# KiCad board Lime_RFE.kicad_pcb (continued)
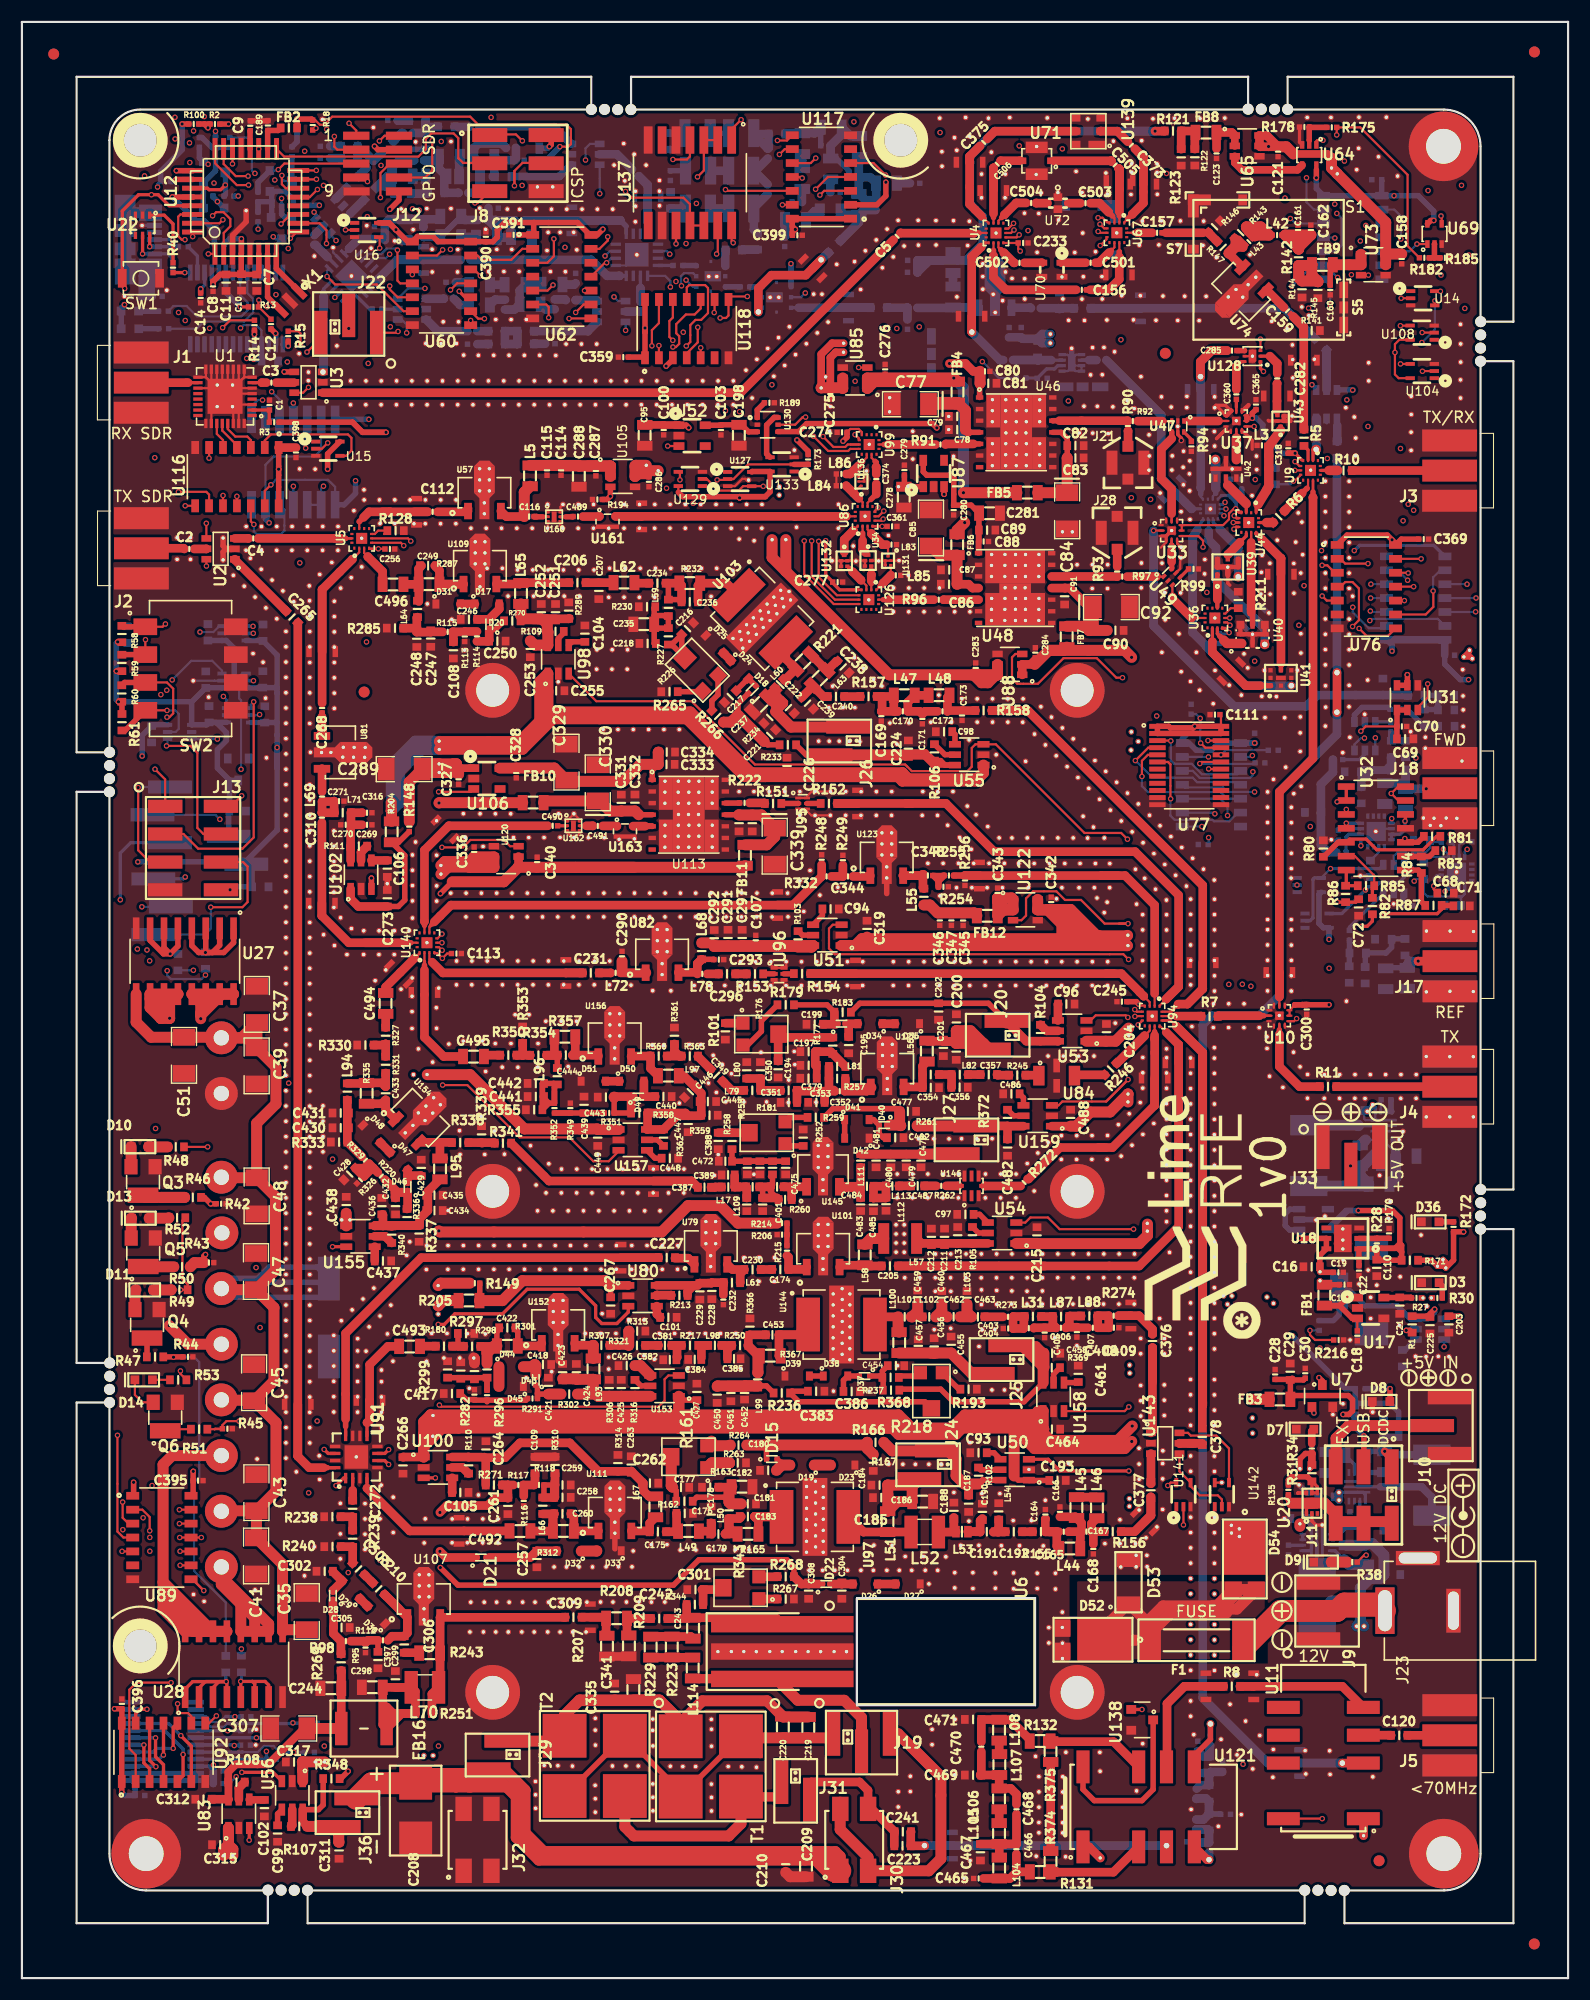
[diagram p0: board, top side]
## Placement (name value [footprint] x y rotation side) (continued)
R187  2k2_0402_ERJ-2RKF2201X  [SMD0402]  23.25 161.77 180 bottom
R188  2k2_0402_ERJ-2RKF2201X  [SMD0402]  21.55 162.55 270 bottom
R189  33.2R_0402_RC0402FR-0733R2L  [SMD0402]  68.21 143.75 0 top
R191  NF_0R_0402_RCS04020000Z0ED  [SMD0402]  21.55 160.72 90 bottom
R192  0R_0402_RCS04020000Z0ED  [SMD0402]  25.22 161.77 180 bottom
R193  7.5K_0603  [SMD0603]  86.4 53.74 0 top
R194  10K_0402_Yageo  [SMD0402]  52.51 134.93 0 top
R195  5K1_0402  [SMD0402]  22.77 19.97 180 bottom
R196  5K1_0402  [SMD0402]  22.48 21.94 180 bottom
R197  5K1_0402  [SMD0402]  20.41 22.58 180 bottom
R198  5K1_0402  [SMD0402]  26.51 23.26 180 bottom
R199  5K1_0402  [SMD0402]  20.45 23.86 180 bottom
R204  32.4R_0805_Vishay  [SMD0805]  33.73 104.6 90 top
R205  32.4R_0805_Vishay  [SMD0805]  40.8 61.82 180 top
R206  5K1_0402  [SMD0402]  69.37 67.84 180 top
R207  NF_150R_0805_ERJ-6ENF1500V  [SMD0805]  53.38 30.29 90 top
R208  0R_0805  [SMD0805]  54.26 32.83 180 top
R209  NF_150R_0805_ERJ-6ENF1500V  [SMD0805]  55.38 30.32 90 top
R210  3R_0603_ESR03EZPJ3R0  [SMD0603]  32.56 35.52 135 top
R211  0R_0603_RCS06030000Z0EA  [SMD0603]  111 125.76 270 top
R213  330R_0603_CRGCQ0603J330R  [SMD0603]  60 62.3 180 top
R214  10K_0402_Yageo  [SMD0402]  69.37 68.89 180 top
R215  100R_0402_ESR01MZPF1000  [SMD0402]  69.81 66.38 90 top
R216  NF_SMD_0402  [SMD0402]  120.16 58.23 180 top
R217  0R_0603_RCS06030000Z0EA  [SMD0603]  60.96 57.74 180 top
R218  10K_TRIMMER_TC33X-2-103E  [SMD_TC33X]  83 53.44 180 top
R220  30K_0402_Yageo  [SMD0402]  32.8 73.19 315 top
R221  0R_0805_RC0805FR-130RL  [SMD0805]  71.3 120.14 225 top
R222  0R_0402_Yageo  [SMD0402]  65.95 107.24 0 top
R223  536R_0805_CRCW0805536RFKEA  [SMD0805]  59.32 30.21 270 top
R226  10K_TRIMMER_TC33X-2-103E  [SMD_TC33X]  61.55 119.44 45 top
R227  1K_0603_ESR03EZPJ102  [SMD0603]  59 122.44 90 top
R229  536R_0805_CRCW0805536RFKEA  [SMD0805]  57.39 30.2 270 top
R230  NF_SMD_0603  [SMD0603]  57.05 125.14 0 top
R232  50R_0805_RCS080551R0FKEA  [SMD0805]  60.95 127.29 180 top
R233  200R_0603  [SMD0603]  69.9 112.54 0 top
R234  NF_SMD_0603  [SMD0603]  68.25 115.04 45 top
R235  0R_0402_Yageo  [SMD0402]  118.38 59.55 270 bottom
R236  1K_0603_ESR03EZPJ102  [SMD0603]  69.35 53.39 180 top
R237  20K_0603_RC0603FR-0720KL  [SMD0603]  79.27 54.81 180 top
R238  150R_0603_Panasonic_250mW  [SMD0603]  28.33 42.1 0 top
R239  36.5R_0603_Yageo  [SMD0603]  30.18 40.1 270 top
R240  150R_0603_Panasonic_250mW  [SMD0603]  28.34 39.37 0 top
R243  680R_0805_ROHMSemiconductor_400mW  [SMD0805]  37.21 29.66 0 top
R245  0R_0603_RCS06030000Z0EA  [SMD0603]  90.83 82.4 180 top
R246  0R_0603_RCS06030000Z0EA  [SMD0603]  99.35 82.96 225 top
R248  NF_SMD_0402  [SMD0402]  72.98 102.06 90 top
R249  NF_SMD_0402  [SMD0402]  74.92 102.01 90 top
R250  0R_0603_RCS06030000Z0EA  [SMD0603]  65.54 57.74 180 top
R251  330R_0603_ROHMSemiconductor_250mW  [SMD0603]  36.66 24.14 180 top
R252  1K_0603_ESR03EZPJ102  [SMD0603]  71.3 76.69 270 top
R253  10K_TRIMMER_TC33X-2-103E  [SMD_TC33X]  67.85 77.14 90 top
R254  NF_SMD_0402  [SMD0402]  84.09 99.59 0 top
R255  0R_0402_Yageo  [SMD0402]  84.59 100.61 180 top
R256  NF_SMD_0402  [SMD0402]  86.06 100.16 270 top
R257  30R_0603  [SMD0603]  74.4 82.09 180 top
R258  1K_0603_ESR03EZPJ102  [SMD0603]  64.8 76.39 270 top
R259  24K_0603_CRCW060324K0FKEA  [SMD0603]  72.45 78.54 180 top
R260  30R_0603  [SMD0603_gap05]  69.65 71.04 180 top
R261  200R_0603  [SMD0603]  80.95 77.79 0 top
R262  0R_0402_RC0402JR-070RL  [SMD0402]  83.9 72.29 180 top
R263  7.5K_0603  [SMD0603]  65.32 47.02 180 top
R264  20K_0603_RC0603FR-0720KL  [SMD0603]  65.4 48.64 0 top
R265  7.5K_0603  [SMD0603]  59.1 117.39 0 top
R266  20K_0603_RC0603FR-0720KL  [SMD0603]  63.5 115.14 315 top
R267  15K_0603  [SMD0603]  69.7 34.59 180 top
R268  4.99K_0603  [SMD0603]  69.7 36.64 0 top
R269  1K_0603_ESR03EZPJ102  [SMD0603]  29.13 28.82 90 top
R270  330R_0603_CRGCQ0603J330R  [SMD0603]  44.75 123.85 180 top
R271  330R_0603_CRGCQ0603J330R  [SMD0603]  43.07 45 0 top
R272  0R_0402_RC0402JR-070RL  [SMD0402]  91.45 72.6 225 top
R273  0R_0402_RC0402JR-070RL  [SMD0402]  89.99 60.35 180 top
R274  0R_0402_RC0402JR-070RL  [SMD0402]  99.63 60.45 180 top
R275  0R_0402_RC0402JR-070RL  [SMD0402]  108.34 11.93 270 bottom
R276  0R_0402_RC0402JR-070RL  [SMD0402]  108.45 21.66 270 bottom
R282  10K_0402_Yageo  [SMD0402]  41.3 53.24 270 top
R285  NF_SMD_0603  [SMD0603]  34.05 123.19 0 top
R287  50R_0805_RCS080551R0FKEA  [SMD0805]  37.15 127.19 180 top
R289  NF_SMD_0603  [SMD0603]  49.9 124.79 90 top
R291  30K_0402_Yageo  [SMD0402]  46.6 52.89 0 top
R296  100R_0402_ESR01MZPF1000  [SMD0402]  42.45 53.19 270 top
R297  NF_SMD_0603  [SMD0603]  40.53 58.83 180 top
R298  0R_0603_RCS06030000Z0EA  [SMD0603]  41.08 57.64 180 top
R299  NF_SMD_0603  [SMD0603]  38.85 55.54 90 top
R301  50R_0805_RCS080551R0FKEA  [SMD0805]  44.29 57.69 180 top
R302  330R_0603_CRGCQ0603J330R  [SMD0603]  49.95 53.29 180 top
R306  NF_SMD_0603  [SMD0603]  53.6 53.84 270 top
R307  0R_0603_RCS06030000Z0EA  [SMD0603]  52.87 57.75 180 top
R310  NF_SMD_0603  [SMD0603]  48.65 46.83 90 top
R312  50R_0805_RCS080551R0FKEA  [SMD0805]  49.41 40.79 180 top
R313  NF_SMD_0603  [SMD0603]  56.15 59.04 180 top
R314  NF_SMD_0603  [SMD0603]  54.39 46.99 270 top
R316  330R_0603_CRGCQ0603J330R  [SMD0603]  55.95 53.84 90 top
R321  0R_0603_RCS06030000Z0EA  [SMD0603]  56.13 57.74 180 top
R326  10K_0402_Yageo  [SMD0402]  30.9 72.84 45 top
R327  0R_0603_RCS06030000Z0EA  [SMD0603]  33.2 85.99 90 top
R329  100R_0402_ESR01MZPF1000  [SMD0402]  31.35 74.64 315 top
R330  NF_SMD_0603  [SMD0603]  31.35 85.14 0 top
R331  0R_0603_RCS06030000Z0EA  [SMD0603]  33.2 83.34 90 top
R332  0R_0402_Yageo  [SMD0402]  73.43 100.54 180 top
R333  NF_SMD_0603  [SMD0603]  28.95 76.29 180 top
R335  50R_0805_RCS080551R0FKEA  [SMD0805]  31.45 80.74 90 top
R336  1K_0603_ESR03EZPJ102  [SMD0603]  35.15 69.44 90 top
R337  NF_SMD_0603  [SMD0603]  36.25 67.94 90 top
R338  0R_0603_RCS06030000Z0EA  [SMD0603]  40 76.24 180 top
R339  NF_SMD_0603  [SMD0603]  41.95 76.99 270 top
R340  330R_0603_CRGCQ0603J330R  [SMD0603]  33.75 67.84 270 top
R341  0R_0603_RCS06030000Z0EA  [SMD0603]  43.9 76.19 180 top
R343  10K_TRIMMER_TC33X-2-103E  [SMD_TC33X]  65.46 35.62 90 top
R344  1K_0603_ESR03EZPJ102  [SMD0603]  61.41 34.09 180 top
R348  1K_0603_ESR03EZPJ102  [SMD0603]  28.24 18.2 180 top
R349  10K_0402_Yageo  [SMD0402]  50.05 79.39 270 top
R350  0R_0603_RCS06030000Z0EA  [SMD0603]  44.39 84.22 180 top
R351  30K_0402_Yageo  [SMD0402]  53.6 78.94 0 top
R352  100R_0402_ESR01MZPF1000  [SMD0402]  48.6 79.39 270 top
R353  NF_SMD_0603  [SMD0603]  45.7 86.09 270 top
R354  0R_0603_RCS06030000Z0EA  [SMD0603]  47.13 84.21 180 top
R355  NF_SMD_0603  [SMD0603]  46.75 79.24 180 top
R357  50R_0805_RCS080551R0FKEA  [SMD0805]  49.55 85.89 180 top
R358  1K_0603_ESR03EZPJ102  [SMD0603]  56.35 78.94 180 top
R359  NF_SMD_0603  [SMD0603]  62.75 78.74 180 top
R360  0R_0603_RCS06030000Z0EA  [SMD0603]  58.11 84.14 180 top
R361  NF_SMD_0603  [SMD0603]  59.55 85.99 270 top
R362  330R_0603_CRGCQ0603J330R  [SMD0603]  58.55 76.69 270 top
R363  0R_0603_RCS06030000Z0EA  [SMD0603]  60.95 84.14 180 top
R366  NF_SMD_0603  [SMD0603]  66.44 59.45 270 top
R367  50R_0805_RCS080551R0FKEA  [SMD0805]  68.29 56.79 180 top
R368  200R_0603  [SMD0603]  79.31 53.65 0 top
R369  330R_0603_CRGCQ0603J330R  [SMD0603]  93.98 55.7 0 top
R370  0R_0603_RCS06030000Z0EA  [SMD0603]  43.92 164.41 0 bottom
R371  0R_0603_RCS06030000Z0EA  [SMD0603]  31.77 162.84 45 bottom
R372  330R_0603_CRGCQ0603J330R  [SMD0603]  89.95 78.49 90 top
R374  0RNF_0805_Yageo  [SMD0805]  93.88 10.64 270 top
R375  0RNF_0805_Yageo  [SMD0805]  93.88 20.67 270 top
S1  -  [RF_SHIELD_3600213120S]  113.77 155.89 0 top
S2  -  [CLIP_STRAIGHT_S1001-46R]  96.8 145.21 0 bottom
S3  -  [CLIP_ANGLE_S0981-46R]  99.76 161.76 0 bottom
S4  -  [RF_SHIELD_36003160S]  91.48 153.48 0 bottom
S5  -  [CLIP_STRAIGHT_S1001-46R]  120.62 152.46 270 top
S6  -  [CLIP_STRAIGHT_S1001-46R]  82.99 148.21 270 bottom
S7  -  [CLIP_ANGLE_S0981-46R]  106.9 162.27 180 top
SW1  SW_PUSH  [B3U-1000P]  10.86 155.12 180 top
SW2  -  [ADE04S04]  15.39 119.5 0 top
T1  -  [744889020100]  62.87 19.32 270 top
T2  -  [744889020100]  52.27 19.36 270 top
TRANS_VIA  VAL**  [TRANS_VIA]  113.41 121.71 0 top
TRANS_VIA#2  VAL**  [TRANS_VIA]  110.99 127.88 0 top
TRANS_VIA#3  VAL**  [TRANS_VIA]  108.91 138.58 0 top
TRANS_VIA#4  VAL**  [TRANS_VIA]  118.1 139.5 0 top
TRANS_VIA#5  VAL**  [TRANS_VIA]  107.55 146.14 0 top
TRANS_VIA#6  VAL**  [TRANS_VIA]  115.84 117.94 0 top
TRANS_VIA#7  VAL**  [TRANS_VIA]  86.69 150.21 0 top
TRANS_VIA#8  VAL**  [TRANS_VIA]  27.47 146.56 0 top
TRANS_VIA#9  VAL**  [TRANS_VIA]  72.93 156.8 0 top
TRANS_VIA#10  VAL**  [TRANS_VIA]  67.21 152.05 0 top
TRANS_VIA#11  VAL**  [TRANS_VIA]  108.46 23.19 0 top
TRANS_VIA#12  VAL**  [TRANS_VIA]  82.36 12.1 0 top
TRANS_VIA#13  VAL**  [TRANS_VIA]  104.45 12.08 0 top
TRANS_VIA#14  VAL**  [TRANS_VIA]  108.33 10.8 0 top
TRANS_VIA#15  VAL**  [TRANS_VIA]  120.01 119.14 0 top
TRANS_VIA#16  VAL**  [TRANS_VIA]  120 115.52 0 top
TRANS_VIA#17  VAL**  [TRANS_VIA]  120.5 19.62 0 top
U1  -  [F1956NBGI8]  18.54 144.34 180 top
U2  -  [HMC544AE]  18.13 130.43 90 top
U3  -  [HMC544AE]  26.16 145.62 90 top
U4  SKY13416-485LF  [14QFN_SKY13416-485LF]  88.89 159.25 90 top
U5  SKY13414-485LF  [14QFN_SKY13414-485LF]  31.01 131.38 90 top
U6  -  [RD16HHF1]  75.89 29.8 270 top
U7  DRDC3105F-7  [DRDC3105F-7_SOT23]  118.67 53.11 0 top
U8  -  [HMC544AE]  119.05 143.62 180 bottom
U9  SKY13414-485LF  [14QFN_SKY13414-485LF]  117.59 137.59 270 top
U10  SKYA21003  [SKYA21003_12QFN]  114.75 87.82 0 top
U11  -  [EE2-5NU-L]  118.76 19.62 90 top
U12  -  [ATMEGA328P-AU]  20.44 162.16 90 top
U13  -  [FT232RL]  19.59 152.36 180 bottom
U14  -  [SN74LV1T04]  127.83 153.29 0 top
U15  -  [SN74LV1T34]  27.92 139.56 0 top
U16  -  [SN74LV1T34]  31.46 159.52 0 top
U17  NCP702_3V0  [NCP702_TSOP5]  123.08 61.15 0 top
U18  -  [LD39200]  120.54 67.5 180 top
U19  -  [TPS62136RGXT]  121.85 44.83 0 bottom
U20  NCP349  [6-DFN]  117.72 43.33 90 top
U21  -  [TPS62136RGXT]  118.18 39.75 270 bottom
U22  NUP2202W1T2G  [SC-88-6_NUP2202W1T2G]  11.01 159.95 180 top
U23  -  [74LVC1T45]  19.36 118.39 0 bottom
U24  -  [74LVC1T45]  19.36 122.71 0 bottom
U25  -  [74LVC1T45]  19.77 115.24 0 bottom
U26  -  [74LVC1T45]  14.39 113.72 180 bottom
U27  -  [ULN2003D1013TR]  14.87 92.79 180 top
U28  -  [ULN2003D1013TR]  19.34 28.64 0 top
U29  -  [HMC544AE]  122.55 113.33 0 bottom
U30  -  [HMC544AE]  125.19 100.3 180 bottom
U31  NCP331SNT1G  [TSOP-6]  126.43 116.85 0 top
U32  LMC660CMX/NOPB  [M14A]  123.56 104.92 270 top
U33  SKYA21003  [SKYA21003_12QFN]  104.92 132.09 0 top
U34  -  [B39202B9477P810]  77.22 129.36 270 top
U35  SKY13416-485LF  [14QFN_SKY13416-485LF]  108.45 134.07 270 bottom
U36  SKY13414-485LF  [14QFN_SKY13414-485LF]  108.86 124.12 90 top
U37  SKYA21003  [SKYA21003_12QFN]  110.82 142.1 0 top
U38  -  [HMC544AE]  28.39 160.8 315 bottom
U39  -  [QPQ1297]  110.04 128.78 90 top
U40  -  [TQM963014]  112.3 122.64 270 top
U41  -  [QPQ1282]  114.89 118.64 90 top
U42  -  [TQQ6107]  109.87 137.73 270 top
U43  -  [885026]  114.86 142.1 90 top
U44  SKY13416-485LF  [14QFN_SKY13416-485LF]  111.95 132.83 270 top
U45  -  [TQP3M9037]  95.81 147.4 270 bottom
U46  -  [QPA9426]  90.73 141.06 0 top
U47  -  [HHM22137A2]  105.48 141.59 180 top
U48  -  [QPA9419]  90.64 126.85 0 top
U49  -  [HHM22139A2]  104.95 127.87 315 top
U50  TPS22810DBVR  [SOT23_TPS22810DBVR]  90.6 46.39 180 top
U51  TPS22810DBVR  [SOT23_TPS22810DBVR]  73.5 95.17 180 top
U52  NCP702_2V8  [NCP702_TSOP5]  61.16 140.76 0 top
U53  TPS22810DBVR  [SOT23_TPS22810DBVR]  95.85 86.44 180 top
U54  TPS22810DBVR  [SOT23_TPS22810DBVR]  89.45 67.99 180 top
U55  TPS22810DBVR  [SOT23_TPS22810DBVR]  86.45 111.64 180 top
U56  TPS22810DBVR  [SOT23_TPS22810DBVR]  24.67 16.67 270 top
U57  RFGA2054  [SOT89_RFGA2054]  42.21 135.67 0 top
U58  -  [MASW-008566-TR3000]  30.08 155.32 315 bottom
U59  -  [MASW-008566-TR3000]  56.12 157.26 90 bottom
U60  -  [74LV164D,118]  38.29 154.65 0 top
U61  -  [PE4245]  62.87 155.3 180 bottom
U62  -  [74LV164D,118]  49.27 155.26 0 top
U63  -  [PE4245]  68.86 153.38 0 bottom
U64  74LVC1G08GW  [74LVC1G08GW_TSSOP-5]  117.48 166.36 180 top
U65  NCP331SNT1G  [TSOP-6]  111.81 167.2 270 top
U66  GALI-74+  [SOT89]  88.8 154.23 180 bottom
U67  SKY13415-485LF  [14QFN_SKY13415-485LF]  99.92 159.27 270 top
U68  -  [74LV164D,118]  121.44 158.84 180 bottom
U69  74LVC1G08GW  [74LVC1G08GW_TSSOP-5]  128.91 159.16 0 top
U70  -  [BP0805A1308ASTR]  93.99 155.9 270 top
U71  -  [DEA252400BT-2030A1]  92.61 165.84 180 top
U72  -  [3600BP14M0600T]  94.54 161.97 0 top
U73  NCP331SNT1G  [TSOP-6]  123.33 156.35 270 top
U74  ADL5611ARKZ-R7  [SOT89_ADL5611ARKZ-R7]  112.97 155.61 135 top
U75  -  [74LV164D,118]  108.55 108.89 180 bottom
U76  -  [74LV164D,118]  122.69 126.97 0 top
U77  -  [SN74LVCH8T245PWR]  106.52 110.65 0 top
U78  -  [SN74LVCH8T245PWR]  12.97 21.6 0 bottom
U79  QPA6489A  [SOT89_QPA6489A]  62.87 64.38 0 top
U80  TPS22810DBVR  [SOT23_TPS22810DBVR]  56.64 62.26 0 top
U81  QPA6489A  [SOT89_QPA6489A]  26.63 111.85 270 top
U82  MAAM-009560-TR3000  [SOT89_MAAM-009560]  58.42 93.54 0 top
U83  TPS22810DBVR  [SOT23_TPS22810DBVR]  19.8 15 90 top
U84  -  [LFCN-1450+]  94.43 82.35 0 top
U85  NCP331SNT1G  [TSOP-6]  76.03 146.02 90 top
U86  SKY13416-485LF  [14QFN_SKY13416-485LF]  76.95 133.39 90 top
U87  NCP702_2V8  [NCP702_TSOP5]  83.2 137.3 90 top
U88  NCP331SNT1G  [TSOP-6]  90.16 119.88 90 top
U89  -  [74LV164D,118]  12.77 40.2 0 top
U90  -  [TPS62136RGXT]  124.26 77.79 180 bottom
U91  -  [MASW-008566-TR3000]  30.51 47.55 90 top
U92  -  [74LV164D,118]  12.92 20.6 90 top
U93  -  [HMC544AE]  35.59 152.3 270 bottom
U94  SKY13418-485LF  [14QFN_SKY13418-485LF]  103.14 87.79 270 top
U95  -  [2450LP14B100T]  71.25 107.19 90 top
U96  -  [DEA163800LT-5017C1]  69.1 91.64 90 top
U97  AFT09MS007NT1  [SMD_AFT09MS007NT1]  72.37 42.09 270 top
U98  TPS22810DBVR  [SOT23_TPS22810DBVR]  48.95 120.34 90 top
U99  SKY13414-485LF  [14QFN_SKY13414-485LF]  77.32 139.95 270 top
U100  TPS22810DBVR  [SOT23_TPS22810DBVR]  37.96 46.6 0 top
U101  -  [RD01MUS2B]  73.12 66.67 0 top
U102  TPS22810DBVR  [SOT23_TPS22810DBVR]  30.95 100.69 90 top
U103  AFT09MS007NT1  [SMD_AFT09MS007NT1]  67.55 124.04 225 top
U104  -  [SN74LV1T34]  127.79 146.65 180 top
U105  NCP331SNT1G  [TSOP-6]  54.83 137.03 270 top
U106  NCP702_2V8  [NCP702_TSOP5]  42.43 109.46 0 top
U107  -  [RD01MUS2B]  36.67 34.71 0 top
U108  -  [SN74LV1T34]  127.78 150.15 180 top
U109  -  [RD01MUS2B]  41.8 129.01 0 top
U110  TPS22810DBVR  [SOT23_TPS22810DBVR]  128.49 59.22 180 bottom
U111  -  [RD01MUS2B]  54.11 42.6 0 top
U112  NCP163ASN250T1G_NF  [SOT23_NCP163ASN250T1G]  117.87 69.22 0 bottom
U113  -  [QPA9426]  60.85 106.16 0 top
U114  -  [SN74LV1T04]  117.47 99.74 0 bottom
U115  -  [TC74HC04AF]  24.77 138.34 90 bottom
U116  -  [74LV164D,118]  19.62 137.01 270 top
U117  -  [74LV164D,118]  72.96 164.36 180 top
U118  -  [74LV164D,118]  60.67 150.52 90 top
U119  -  [74LV164D,118]  127.19 125.93 0 bottom
U120  NCP331SNT1G  [TSOP-6]  44.2 102.34 90 top
U121  -  [EE2-5NU-L]  101.91 15.62 0 top
U122  NCP331SNT1G  [TSOP-6]  91.57 97.48 270 top
U123  MAAM-009286  [SOT89_MAAM-009286]  78.92 102.39 0 top
U124  -  [RD01MUS2B]  78.96 83.12 0 top
U125  -  [SN74LV1T04]  118.19 96.49 0 bottom
U126  SKY13416-485LF  [14QFN_SKY13416-485LF]  77.29 125.79 270 top
U127  -  [SN74LV1T04]  65.5 136.79 0 top
U128  SKY13370-374LF  [SKY13370-374LF_6QFN]  112.3 148.01 180 top
U129  -  [SN74LV1T04]  61 136.8 180 top
U130  -  [FSA5157P6X]  68.05 141.75 270 top
U131  -  [F6QA1G842M2AN-J]  79.04 129.35 270 top
U132  -  [B39212B9451P810]  75.04 129.34 270 top
U133  -  [SN74LV1T34]  69.37 138.13 180 top
U134  -  [HMC544AE]  51.43 166.43 90 bottom
U135  -  [HMC544AE]  53.79 152.08 90 bottom
U136  -  [F6QA2G655M2QH-J]  76.61 136.57 90 top
U137  -  [TC74HC04AF]  60.96 163.83 270 top
U138  DRDC3105F-7  [DRDC3105F-7_SOT23]  102.23 23.56 270 top
U139  -  [B39921B3728U410]  97.32 168.54 90 top
U140  SKY13415-485LF  [14QFN_SKY13415-485LF]  36.96 94.48 90 top
U141  -  [SN74LV1T04]  106 44.11 90 top
U142  -  [SN74LV1T04]  109.5 44.11 90 top
U143  -  [HMC544AE]  104.33 48.81 270 top
U144  AFT09MS007NT1  [SMD_AFT09MS007NT1]  74.8 59.64 270 top
U145  RFM04U6P  [RFM04U6P_SOT89]  73.1 73.95 0 top
U146  -  [0915LP15B026E]  86.66 72.29 180 top
U152  -  [RD01MUS2B]  48.94 59.72 0 top
U153  TPS22810DBVR  [SOT23_TPS22810DBVR]  58.65 54.04 180 top
U154  -  [RD01MUS2B]  36.45 78.59 315 top
U155  TPS22810DBVR  [SOT23_TPS22810DBVR]  30.9 67.69 0 top
U156  -  [RD01MUS2B]  54.1 85.89 0 top
U157  TPS22810DBVR  [SOT23_TPS22810DBVR]  55.75 76.49 0 top
U158  TPS22810DBVR  [SOT23_TPS22810DBVR]  94.15 53.04 90 top
U159  TPS22810DBVR  [SOT23_TPS22810DBVR]  92.7 78.69 180 top
U160  -  [MADL-011021-14150T]  48.57 133.35 0 top
U161  -  [PAT1220-C-3DB-T5]  53.44 132.92 0 top
U162  -  [MADL-011021-14150T]  50.33 105.15 0 top
U163  -  [PAT1220-C-3DB-T5]  55.04 104.65 0 top
X1  -  [CSTNE16M0V530000R0]  24.46 153.06 225 top

## Library data of the parts
J12 = -: Field4: 10; Field5: 2

## Footprints (pads in the part's own frame, mm; a bottom-side part is the same pattern mirrored in y, then rotated)
6-DFN
  rect 0.43x0.32 smd: 1(-0.935,0.5) 2(-0.935,0) 3(-0.935,-0.5) 4(0.935,-0.5) 5(0.935,0) 6(0.935,0.5)
  rect 1x1.1 smd: 1(0,0)
14QFN_SKY13414-485LF
  rect 0.28x0.2 smd: 1(-0.895,0.675) 2(-0.895,0.225) 3(-0.895,-0.225) 4(-0.895,-0.675) 8(0.895,-0.675) 9(0.895,-0.225) 10(0.895,0.225) 11(0.895,0.675)
  rect 0.2x0.28 smd: 5(-0.4,-0.895) 6(0,-0.895) 7(0.4,-0.895) 12(0.4,0.895) 13(0,0.895) 14(-0.4,0.895)
  rect 0.9x0.9 smd: 15(0,0)
  rect 1x1 smd: 15(0,0)
14QFN_SKY13415-485LF
  rect 0.28x0.2 smd: 1(-0.895,0.675) 2(-0.895,0.225) 3(-0.895,-0.225) 4(-0.895,-0.675) 8(0.895,-0.675) 9(0.895,-0.225) 10(0.895,0.225) 11(0.895,0.675)
  rect 0.2x0.28 smd: 5(-0.4,-0.895) 6(0,-0.895) 7(0.4,-0.895) 12(0.4,0.895) 13(0,0.895) 14(-0.4,0.895)
  rect 0.9x0.9 smd: 15(0,0)
  rect 1x1 smd: 15(0,0)
14QFN_SKY13416-485LF
  rect 0.28x0.2 smd: 1(-0.895,0.675) 2(-0.895,0.225) 3(-0.895,-0.225) 4(-0.895,-0.675) 8(0.895,-0.675) 9(0.895,-0.225) 10(0.895,0.225) 11(0.895,0.675)
  rect 0.2x0.28 smd: 5(-0.4,-0.895) 6(0,-0.895) 7(0.4,-0.895) 12(0.4,0.895) 13(0,0.895) 14(-0.4,0.895)
  rect 0.9x0.9 smd: 15(0,0)
  rect 1x1 smd: 15(0,0)
14QFN_SKY13418-485LF
  rect 0.28x0.2 smd: 1(-0.895,0.675) 2(-0.895,0.225) 3(-0.895,-0.225) 4(-0.895,-0.675) 8(0.895,-0.675) 9(0.895,-0.225) 10(0.895,0.225) 11(0.895,0.675)
  rect 0.2x0.28 smd: 5(-0.4,-0.895) 6(0,-0.895) 7(0.4,-0.895) 12(0.4,0.895) 13(0,0.895) 14(-0.4,0.895)
  rect 0.9x0.9 smd: 15(0,0)
  rect 1x1 smd: 15(0,0)
74LV164D,118
  rect 1.18x0.7 smd: 1(-2.66,3.81) 2(-2.66,2.54) 3(-2.66,1.27) 4(-2.66,0) 5(-2.66,-1.27) 6(-2.66,-2.54) 7(-2.66,-3.81) 8(2.66,-3.81) 9(2.66,-2.54) 10(2.66,-1.27) 11(2.66,0) 12(2.66,1.27) 13(2.66,2.54) 14(2.66,3.81)
74LVC1G08GW_TSSOP-5
  rect 0.4x0.7 smd: 1(-0.65,-0.925) 2(0,-0.925) 3(0.65,-0.925) 4(0.65,0.925) 5(-0.65,0.925)
74LVC1T45
  rect 0.85x0.35 smd: 1(-1.1,0.65) 2(-1.1,0) 3(-1.1,-0.65) 4(1.1,-0.65) 5(1.1,0) 6(1.1,0.656)
0915LP15B026E
  rect 0.35x1 smd: 1(0.65,0.9) 2(0,0.9) 3(-0.65,0.9) 5(-0.65,-0.9) 6(0,-0.9) 7(0.65,-0.9)
  rect 1x0.35 smd: 4(-1.2,0) 8(1.2,0)
2450LP14B100T
  rect 0.25x0.55 smd: 1(0.5,0.4) 2(0,0.4) 3(-0.5,0.4) 4(-0.5,-0.4) 5(0,-0.4) 6(0.5,-0.4)
3405.0174.11
  rect 2x3.75 smd: 1(-4.25,0) 2(4.25,0)
3600BP14M0600T
  rect 0.8x0.7 smd: 1(0,0.55) 3(0,-0.55)
  rect 0.65x0.3 smd: 2(0.95,0) 4(-0.95,0)
885026
  rect 0.32x0.425 smd: 1(-0.5,0)
  rect 0.32x0.4 smd: 2(0,-0.29) 3(0.5,-0.29) 4(0.5,0.29) 5(0,0.29)
744889020100
  rect 4x4 smd: 1(-2.75,2.75) 2(-2.75,-2.75) 3(2.75,-2.75) 4(2.75,2.75)
ADE04S04
  rect 2.16x1.52 smd: 1(-4.13,3.81) 2(-4.13,1.27) 3(-4.13,-1.27) 4(-4.13,-3.81) 5(4.13,-3.81) 6(4.13,-1.27) 7(4.13,1.27) 8(4.13,3.81)
ADL5513
  rect 0.6x0.3 smd: 1(-1.4,0.75) 2(-1.4,0.25) 3(-1.4,-0.25) 4(-1.4,-0.75) 9(1.4,-0.75) 10(1.4,-0.25) 11(1.4,0.25) 12(1.4,0.75)
  rect 0.3x0.5 smd: 5(-0.75,-1.4) 6(-0.25,-1.4) 7(0.25,-1.4) 8(0.75,-1.4) 13(0.75,1.4) 14(0.25,1.4) 15(-0.25,1.4) 16(-0.75,1.4)
  rect 1.75x1.75 smd: 10(0,0)
ATMEGA328P-AU
  rect 1.999x0.45 smd: 1(-4.816,2.824) 2(-4.816,2.024) 3(-4.816,1.224) 4(-4.816,0.424) 5(-4.816,-0.376) 6(-4.816,-1.176) 7(-4.816,-1.976) 8(-4.816,-2.776) 17(4.75,-2.794) 18(4.75,-1.981) 19(4.75,-1.168) 20(4.75,-0.381) 21(4.75,0.432) 22(4.75,1.219) 23(4.75,2.032) 24(4.75,2.819)
  rect 0.45x1.999 smd: 9(-2.819,-4.775) 10(-2.032,-4.775) 11(-1.219,-4.775) 12(-0.432,-4.775) 13(0.356,-4.775) 14(1.168,-4.775) 15(1.981,-4.775) 16(2.794,-4.775) 25(2.774,4.826) 26(1.976,4.826) 27(1.173,4.826) 28(0.376,4.826) 29(-0.427,4.826) 30(-1.224,4.826) 31(-2.027,4.826) 32(-2.824,4.826)
B3U-1000P
  rect 0.8x1.7 smd: 1(-1.7,0) 2(1.7,0)
B39202B9477P810
  rect 0.32x0.425 smd: 1(-0.5,0)
  rect 0.32x0.4 smd: 2(0,-0.29) 3(0.5,-0.29) 4(0.5,0.29) 5(0,0.29)
B39212B9451P810
  rect 0.32x0.425 smd: 1(-0.5,0)
  rect 0.32x0.4 smd: 2(0,-0.29) 3(0.5,-0.29) 4(0.5,0.29) 5(0,0.29)
B39921B3728U410
  rect 0.65x1.55 smd: 1(-1.2,-0.775)
  rect 0.65x0.8 smd: 2(0,-1.125) 3(1.2,-1.125) 4(1.2,1.125) 5(0,1.125) 6(-1.2,1.125)
BAS16HT1G
  rect 0.63x0.83 smd: 1(-1.115,0) 2(1.115,0)
BC817_SOT-23
  rect 2.8x1.4 smd: 1(0,-1.3)
  rect 1.2x1.4 smd: 2(1.1,1.3) 3(-1.1,1.3)
BP0805A1308ASTR
  rect 0.54x1 smd: 1(-0.645,0.925) 2(-0.645,-0.925) 3(0.645,-0.925) 4(0.645,0.925)
BreakHole
  round 1 hole 1 unplated: (0,0)
BSN20
  rect 0.9x0.9 smd: D(0,1)
  rect 0.8x0.8 smd: G(-0.95,-1) S(0.95,-1)
CLIP_ANGLE_S0981-46R
  rect 0.8x1 smd: 1(-4.5,0)
  rect 2.1x1 smd: 1(-0.55,0)
  rect 1x0.8 smd: 1(0,4.5)
  rect 1x2.1 smd: 1(0,0.55)
CLIP_STRAIGHT_S1001-46R
  rect 1.5x0.8 smd: 1(-1.6,0) 1(1.6,0)
  rect 1.1x0.8 smd: 1(0,0)
CONN_1757242
  round 3 hole 1.4: 1(-2.54,0) 2(2.54,0)
CONN_1757307
  round 3 hole 1.4: 1(-17.78,0) 2(-12.7,0) 3(-7.62,0) 4(-2.54,0) 5(2.54,0) 6(7.62,0) 7(12.7,0.05) 8(17.78,0)
CSTNE16M0V530000R0
  rect 0.6x1.6 smd: 1(-1.2,0) 2(0,0) 3(1.2,0)
DEA163800LT-5017C1
  rect 0.35x0.65 smd: 1(0.55,0.45) 2(0,0.45) 3(-0.55,0.45) 4(-0.55,-0.45) 5(0,-0.45) 6(0.55,-0.45)
DEA252400BT-2030A1
  rect 1.1x0.6 smd: 1(-1.5,0) 2(1.5,0)
  rect 2x1.05 smd: 3(0,1.225) 4(0,-1.225)
DRDC3105F-7_SOT23
  rect 0.8x0.9 smd: 1(0,1) 2(-0.95,-1) 3(0.95,-1)
EE2-5NU-L
  rect 1.2x3 smd: 1(-5.08,-3.65) 3(0,-3.65) 4(2.54,-3.65) 5(5.08,-3.65) 8(5.08,3.65) 9(2.54,3.65) 10(0,3.65) 12(-5.08,3.65)
EEE-HC1E101P
  rect 2x4 smd: 1(0,-3.55) 2(0,3.55)
F6QA1G842M2AN-J
  rect 0.21x0.3 smd: 1(-0.4,0) 2(0,-0.25) 3(0.4,-0.25) 4(0.4,0.25) 5(0,0.25)
F6QA2G655M2QH-J
  rect 0.2x0.25 smd: 1(-0.4,0) 2(0,-0.25) 3(0.4,-0.25) 4(0.4,0.25) 5(0,0.25)
F1956NBGI8
  rect 0.85x0.3 smd: 1(-2.475,1.75) 2(-2.475,1.25) 3(-2.475,0.75) 4(-2.475,0.25) 5(-2.475,-0.25) 6(-2.475,-0.75) 7(-2.475,-1.25) 8(-2.475,-1.75) 17(2.475,-1.75) 18(2.475,-1.25) 19(2.475,-0.75) 20(2.475,-0.25) 21(2.475,0.25) 22(2.475,0.75) 23(2.475,1.25) 24(2.475,1.75)
  rect 0.3x0.85 smd: 9(-1.75,-2.475) 10(-1.25,-2.475) 11(-0.75,-2.475) 12(-0.25,-2.475) 13(0.25,-2.475) 14(0.75,-2.475) 15(1.25,-2.475) 16(1.75,-2.475) 25(1.75,2.475) 26(1.25,2.475) 27(0.75,2.475) 28(0.25,2.475) 29(-0.25,2.475) 30(-0.75,2.475) 31(-1.25,2.475) 32(-1.75,2.475)
  rect 3.2x3.2 smd: 33(0,0)
FAN_CONN_3
  rect 0.85x1.65 smd: 1(-1.25,2.95) 2(0,2.95) 3(1.25,2.95)
  rect 2.15x3.05 smd: 4(3.9,0) 5(-3.9,0)
Fiducial
  round 1 smd: 1(0,0)
  round 1 smd far side: 2(0,0)
FSA5157P6X
  rect 0.4x0.5 smd: 1(-0.65,-0.95) 2(0,-0.95) 3(0.65,-0.95) 4(0.65,0.95) 5(0,0.95) 6(-0.65,0.95)
FT232RL
  rect 0.419x1.471 smd: 1(-4.224,-3.275) 2(-3.574,-3.275) 3(-2.926,-3.275) 4(-2.276,-3.275) 5(-1.626,-3.275) 6(-0.975,-3.275) 7(-0.325,-3.275) 8(0.325,-3.275) 9(0.975,-3.275) 10(1.626,-3.275) 11(2.276,-3.275) 12(2.926,-3.275) 13(3.574,-3.275) 14(4.224,-3.275) 15(4.224,3.275) 16(3.574,3.275) 17(2.926,3.275) 18(2.276,3.275) 19(1.626,3.275) 20(0.975,3.275) 21(0.325,3.275) 22(-0.325,3.275) 23(-0.975,3.275) 24(-1.626,3.275) 25(-2.266,3.275) 26(-2.926,3.275) 27(-3.574,3.275) 28(-4.224,3.275)
GND_VIA
  round 0.5 hole 0.3: 1(0,0)
GSOT03-E3-08
  rect 0.7x0.9 smd: 1(-0.95,-1) 2(0.95,-1) 3(0,1)
HEAT_SINK_558-75AB
  round 5 hole 3: 1(-26.67,-45.72) 1(-26.67,0) 1(-26.67,45.72) 1(26.67,-45.72) 1(26.67,0) 1(26.67,45.72)
HHM22137A2
  rect 0.3x0.5 smd: 1(-0.55,-0.5) 2(0,-0.5) 3(0.55,-0.5) 4(0.55,0.5) 5(0,0.5) 6(-0.55,0.5)
HHM22139A2
  rect 0.3x0.5 smd: 1(-0.55,-0.5) 2(0,-0.5) 3(0.55,-0.5) 4(0.55,0.5) 5(0,0.5) 6(-0.55,0.5)
HMC544AE
  rect 0.6x0.9 smd: 1(-0.95,-1.3) 2(0,-1.3) 3(0.95,-1.3) 4(0.95,1.3) 5(0,1.3) 6(-0.95,1.3)
LD39200
  rect 0.9x0.45 smd: 1(-1.5,0.95) 2(-1.5,0) 3(-1.5,-0.95) 4(1.5,-0.95) 5(1.5,0) 6(1.5,0.95)
  rect 1.6x2.5 smd: 7(0,0)
LED_0603
  rect 0.798x0.798 smd: 1(-0.8,0) 2(0.8,0)
LFCN-1450+
  rect 1.04x1.8 smd: 1(-1.625,0) 3(1.625,0)
  rect 0.61x1.245 smd: 2(0,-0.927) 4(0,0.927)
LimeNET_Micro_v2.0
  round 5 hole 3: 1(-34.7,-68.7) 1(34.7,68.7) 1(34.7,-68.7)
M14A
  rect 0.6x1.55 smd: 1(-3.81,-2.7) 2(-2.54,-2.7) 3(-1.27,-2.7) 4(0,-2.7) 5(1.27,-2.7) 6(2.54,-2.7) 7(3.81,-2.7) 8(3.81,2.7) 9(2.54,2.7) 10(1.27,2.7) 11(0,2.7) 12(-1.27,2.7) 13(-2.54,2.7) 14(-3.81,2.7)
